# Altium PCB MICB.PcbDoc (part 1 of 3)
Units mil, origin at the board's own origin, x right, y up, seen from the top; angles counter-clockwise.
Board outline 3923.62 x 3144.88 mil, 4 copper layers (Top, GND02, PWR03, Bottom), stack 23.756 mil thick; 244 components, 173 nets, 794 pads, 549 vias.
Unrouted connection lines stored in the file: 121.
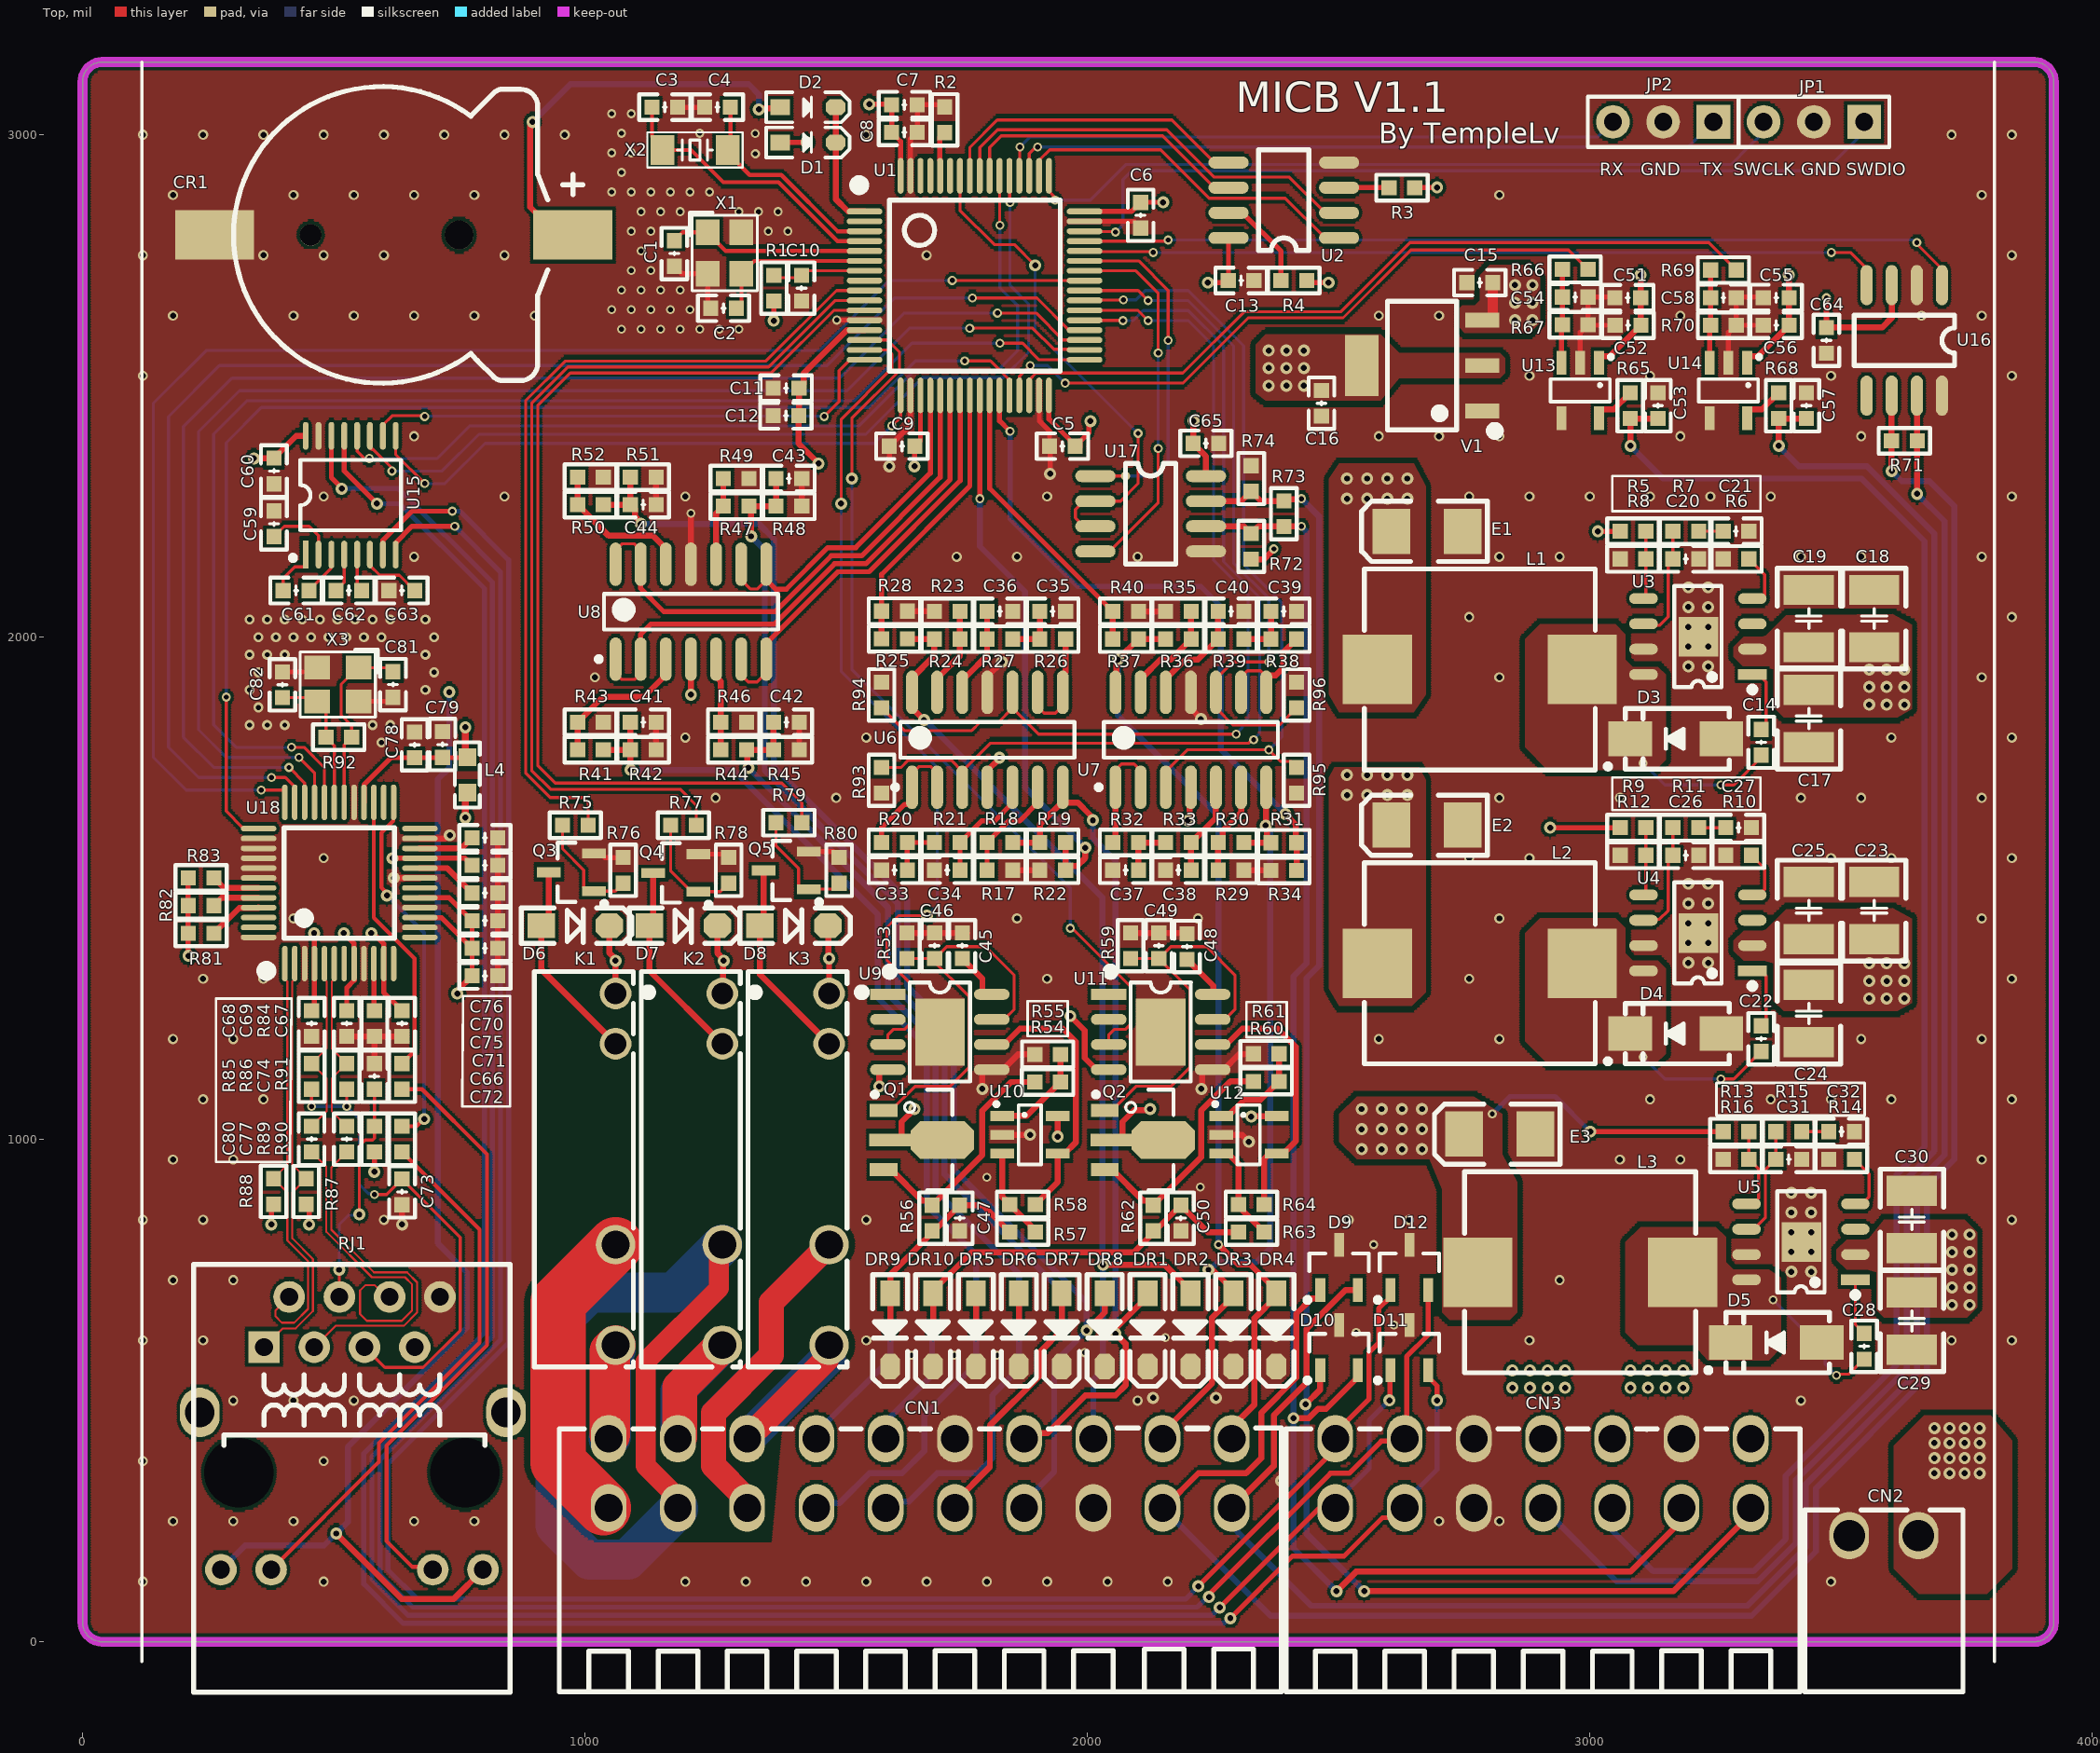
[diagram p0: Top view]
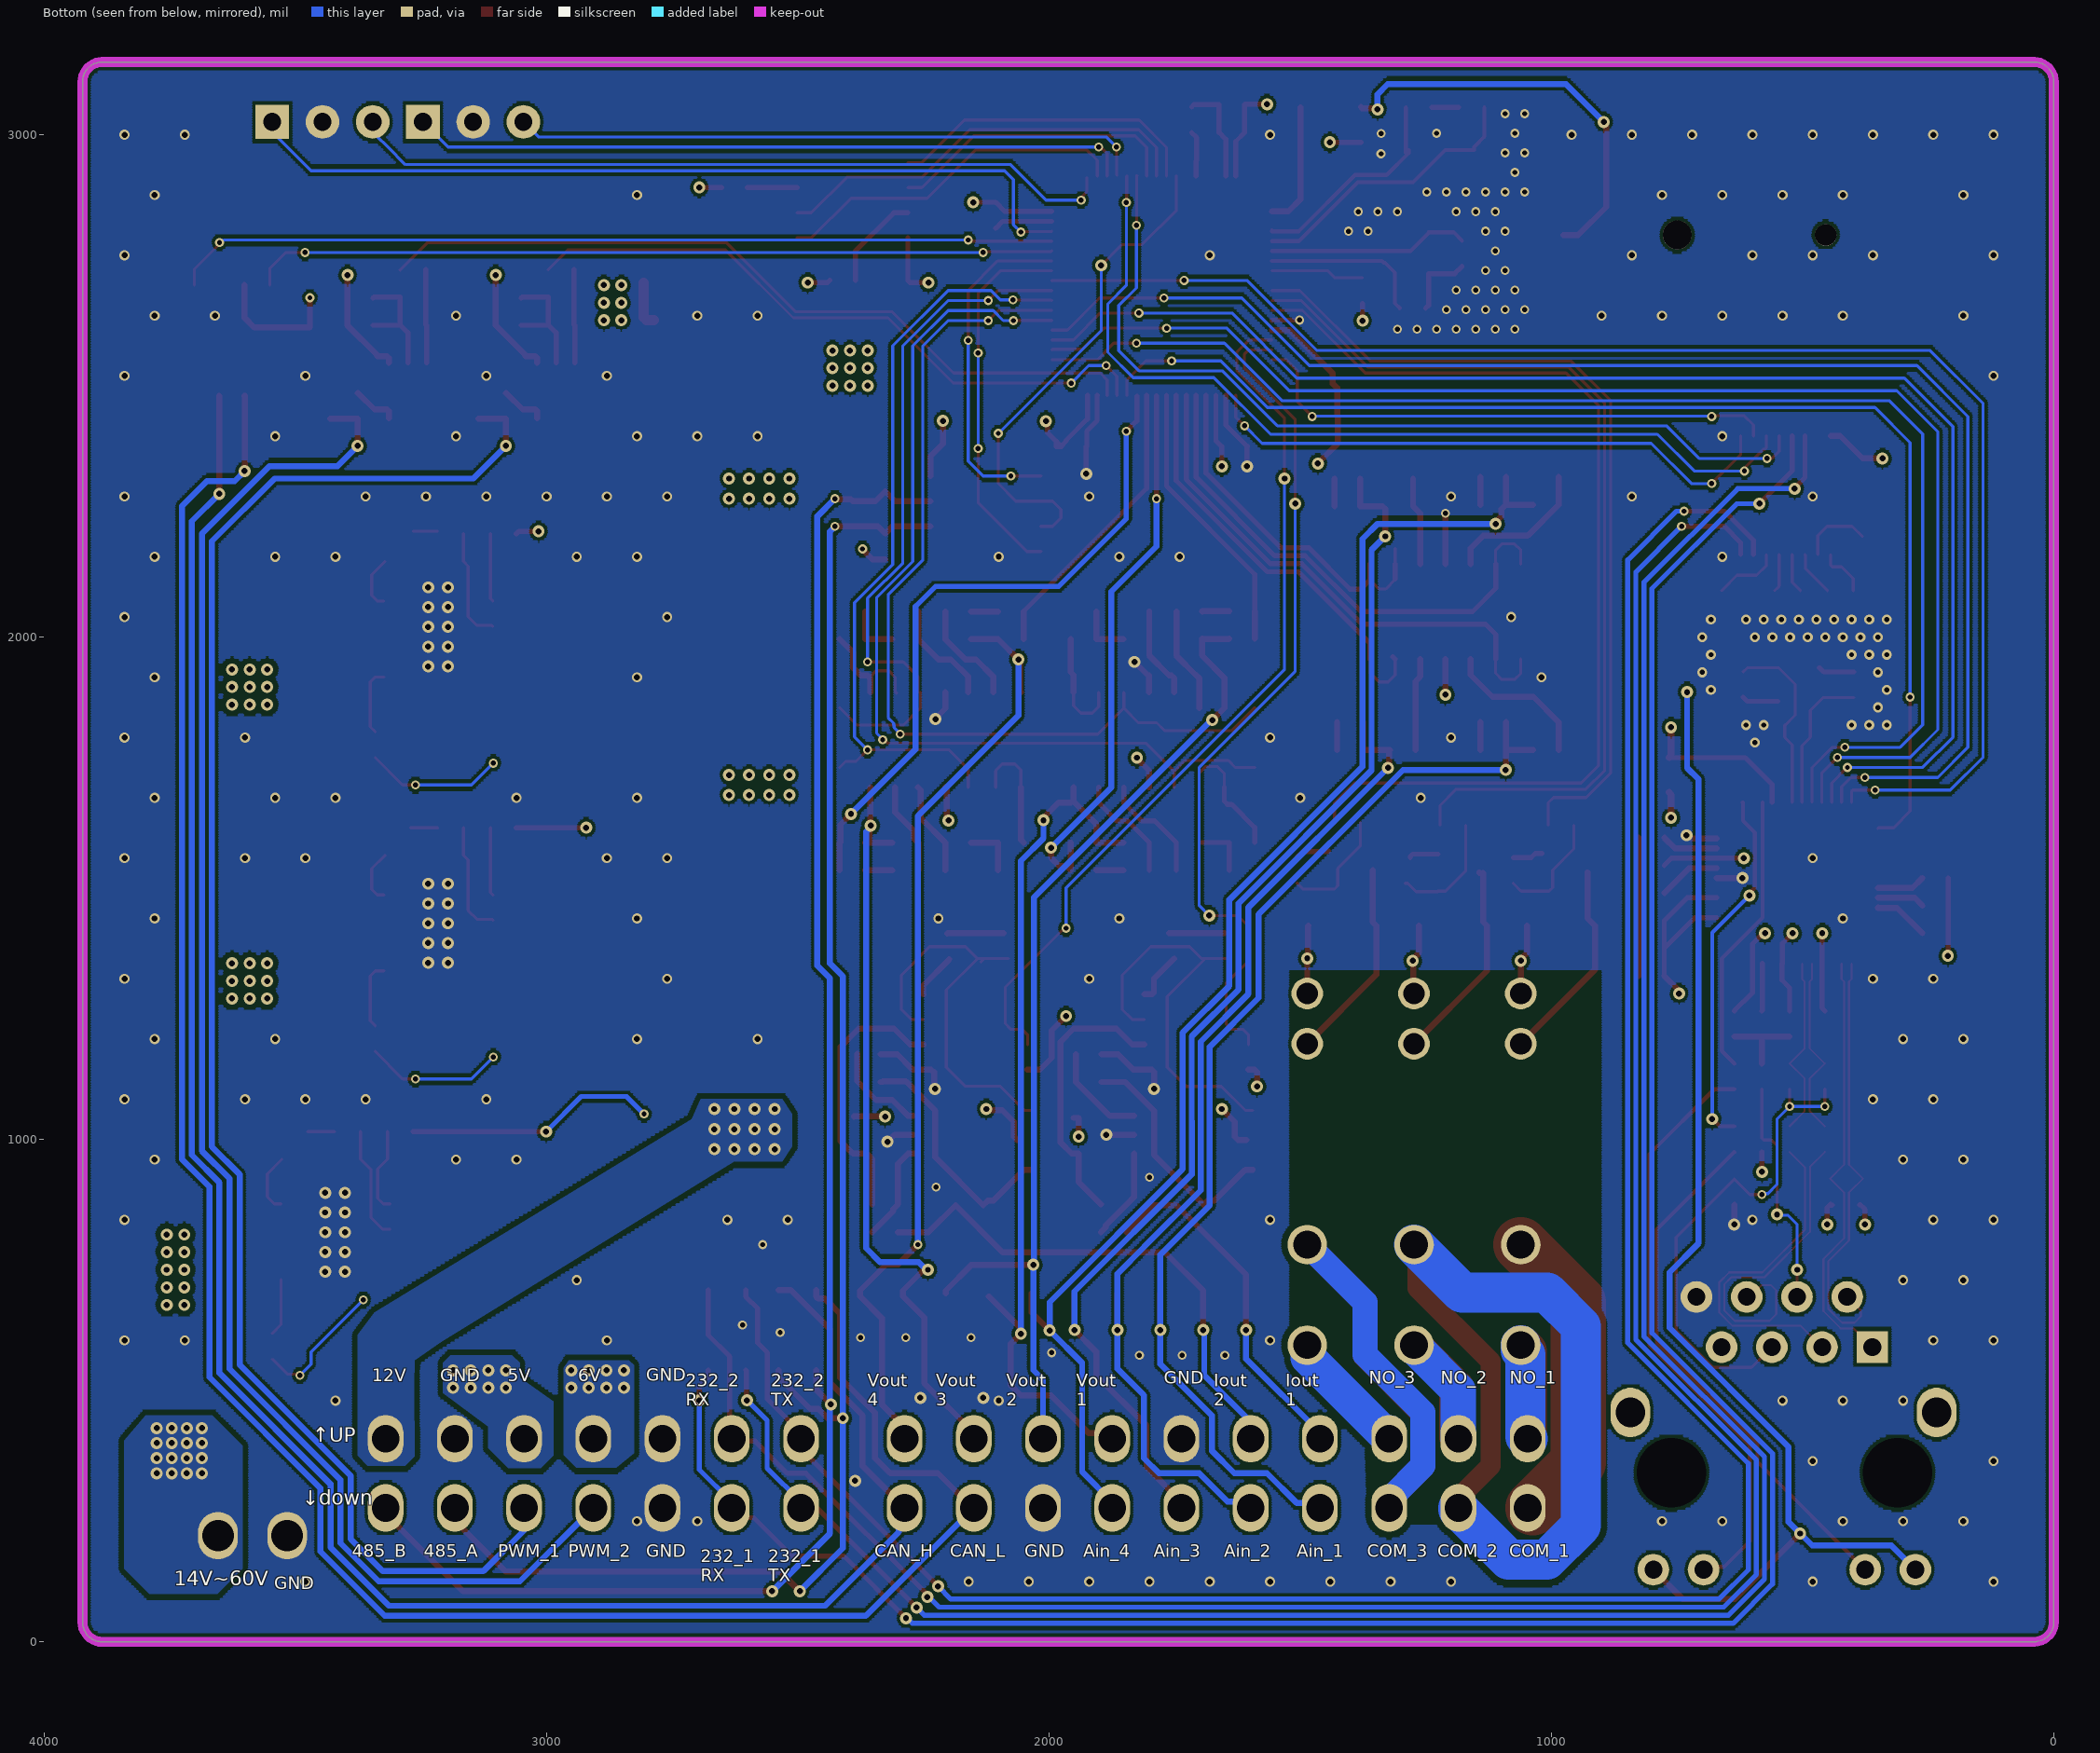
[diagram p1: Bottom view, seen from below]
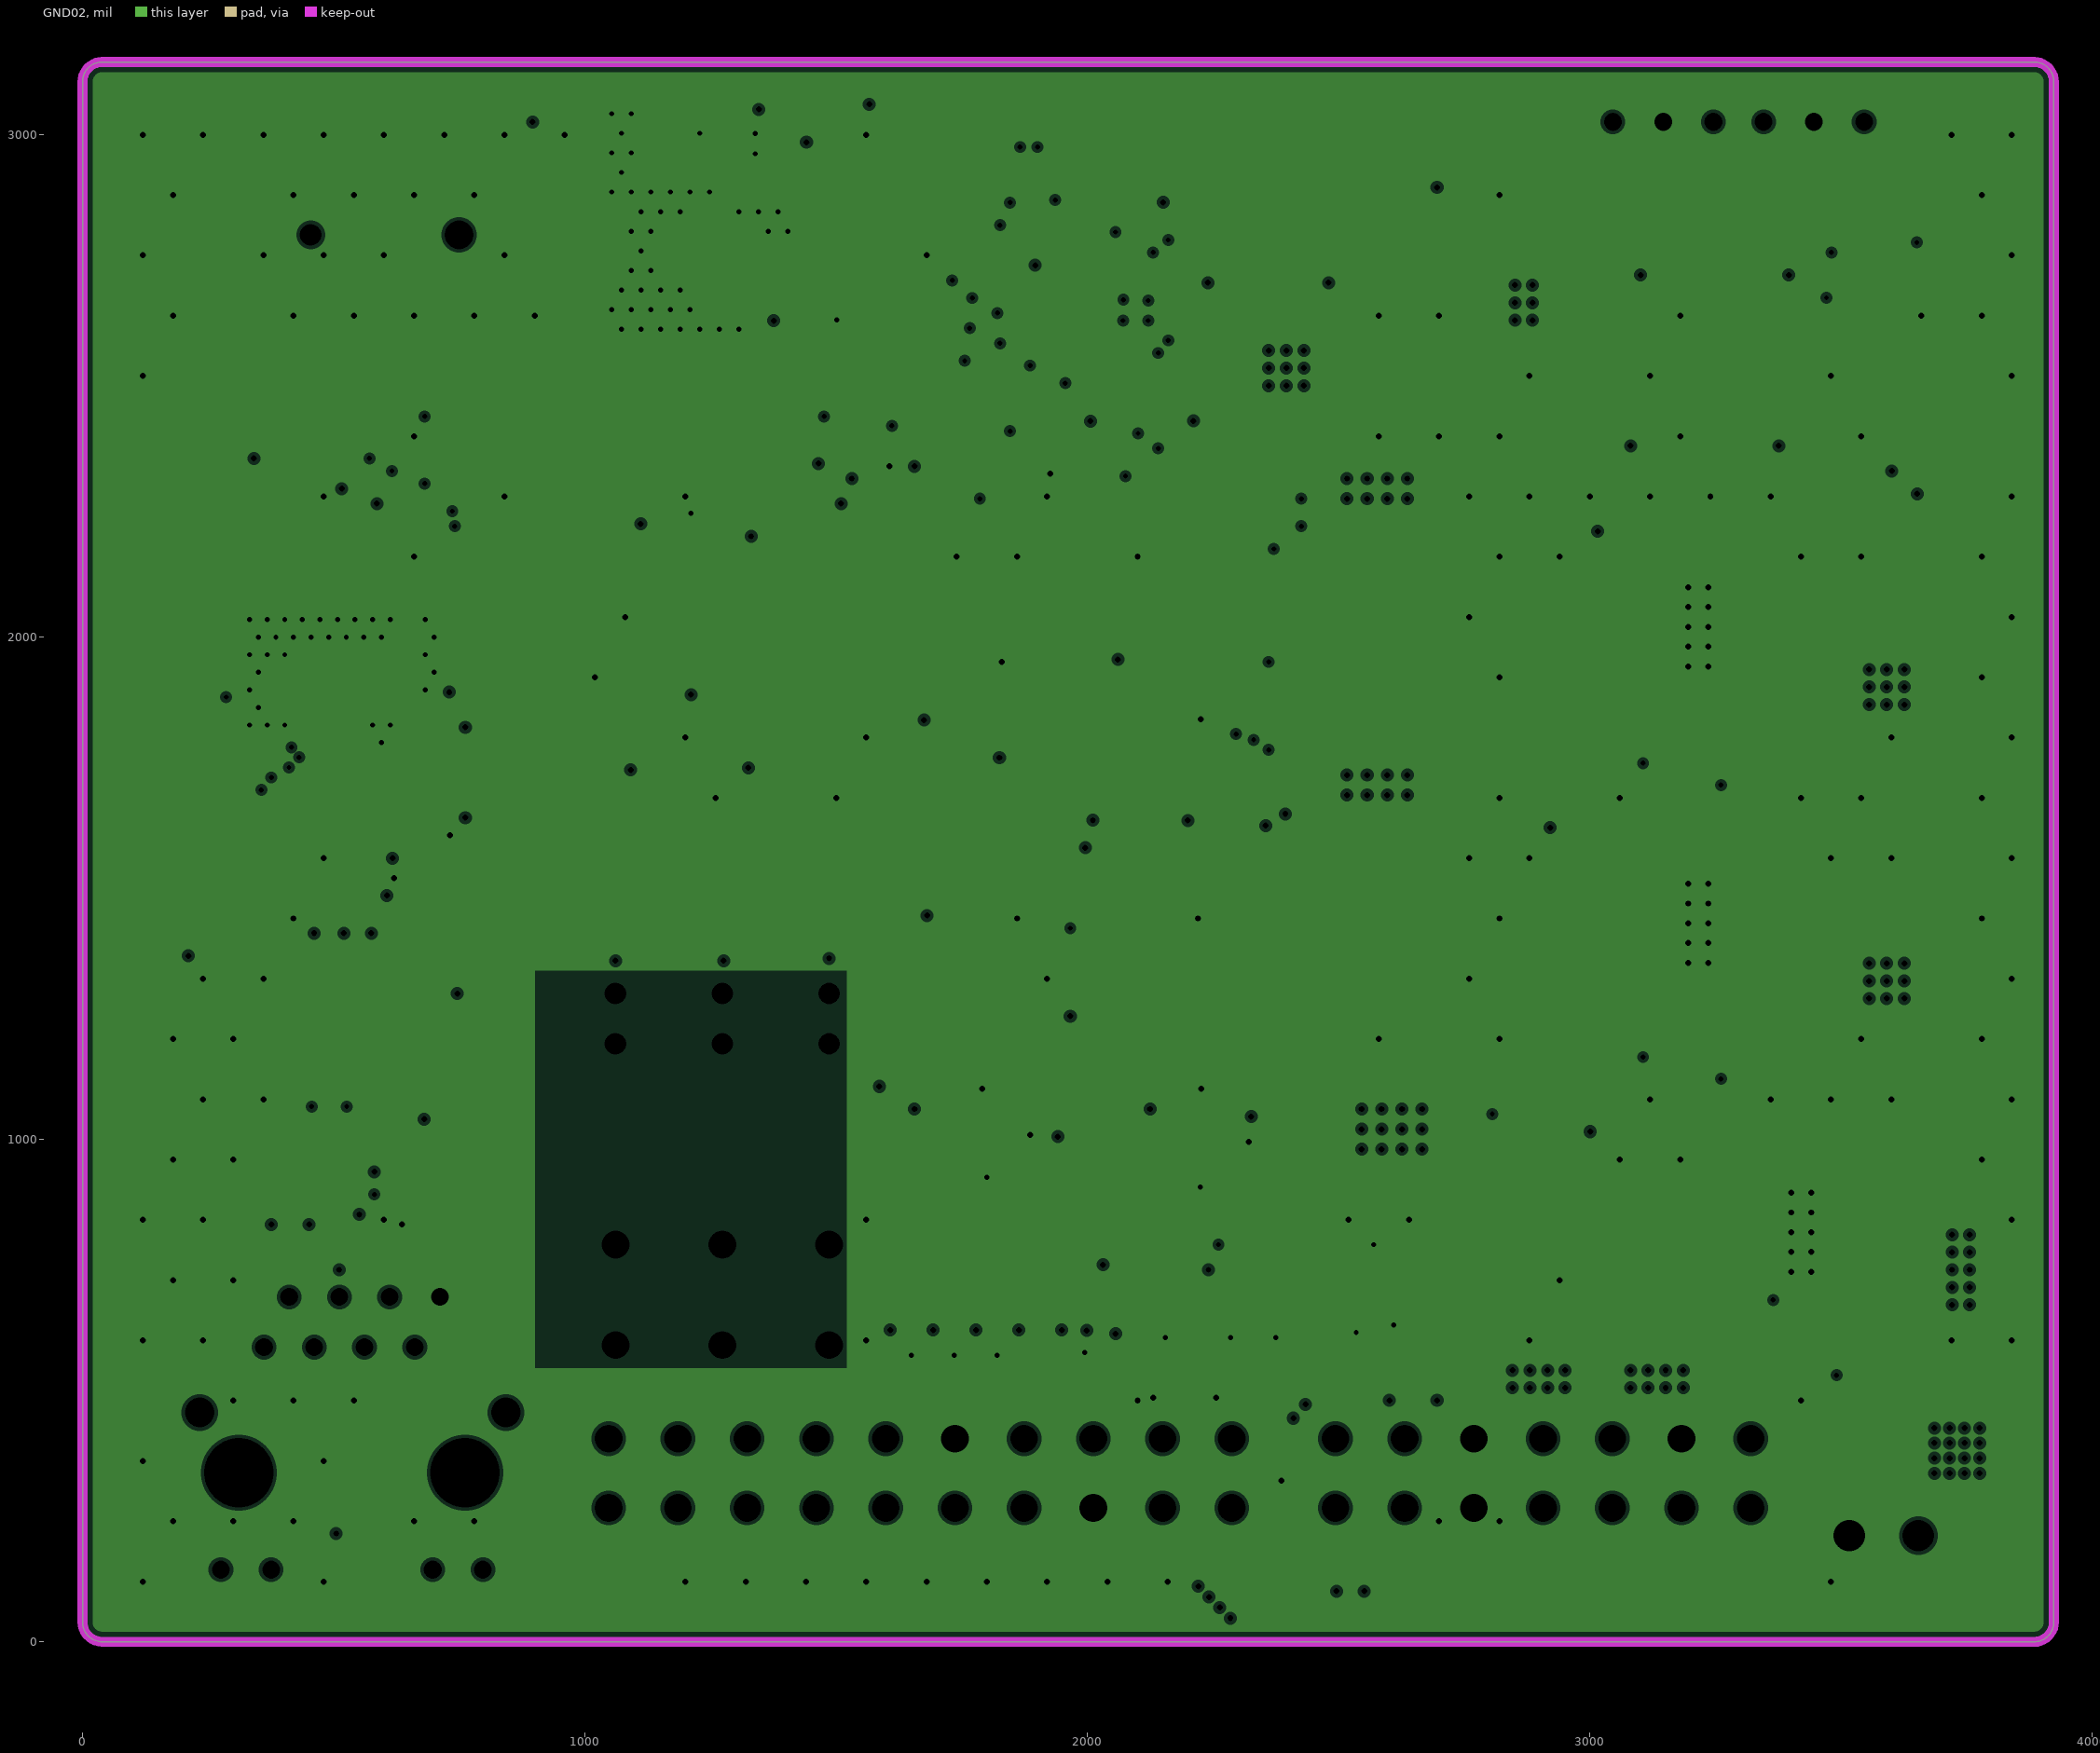
[diagram p2: GND02, clearances drawn from the general rule]
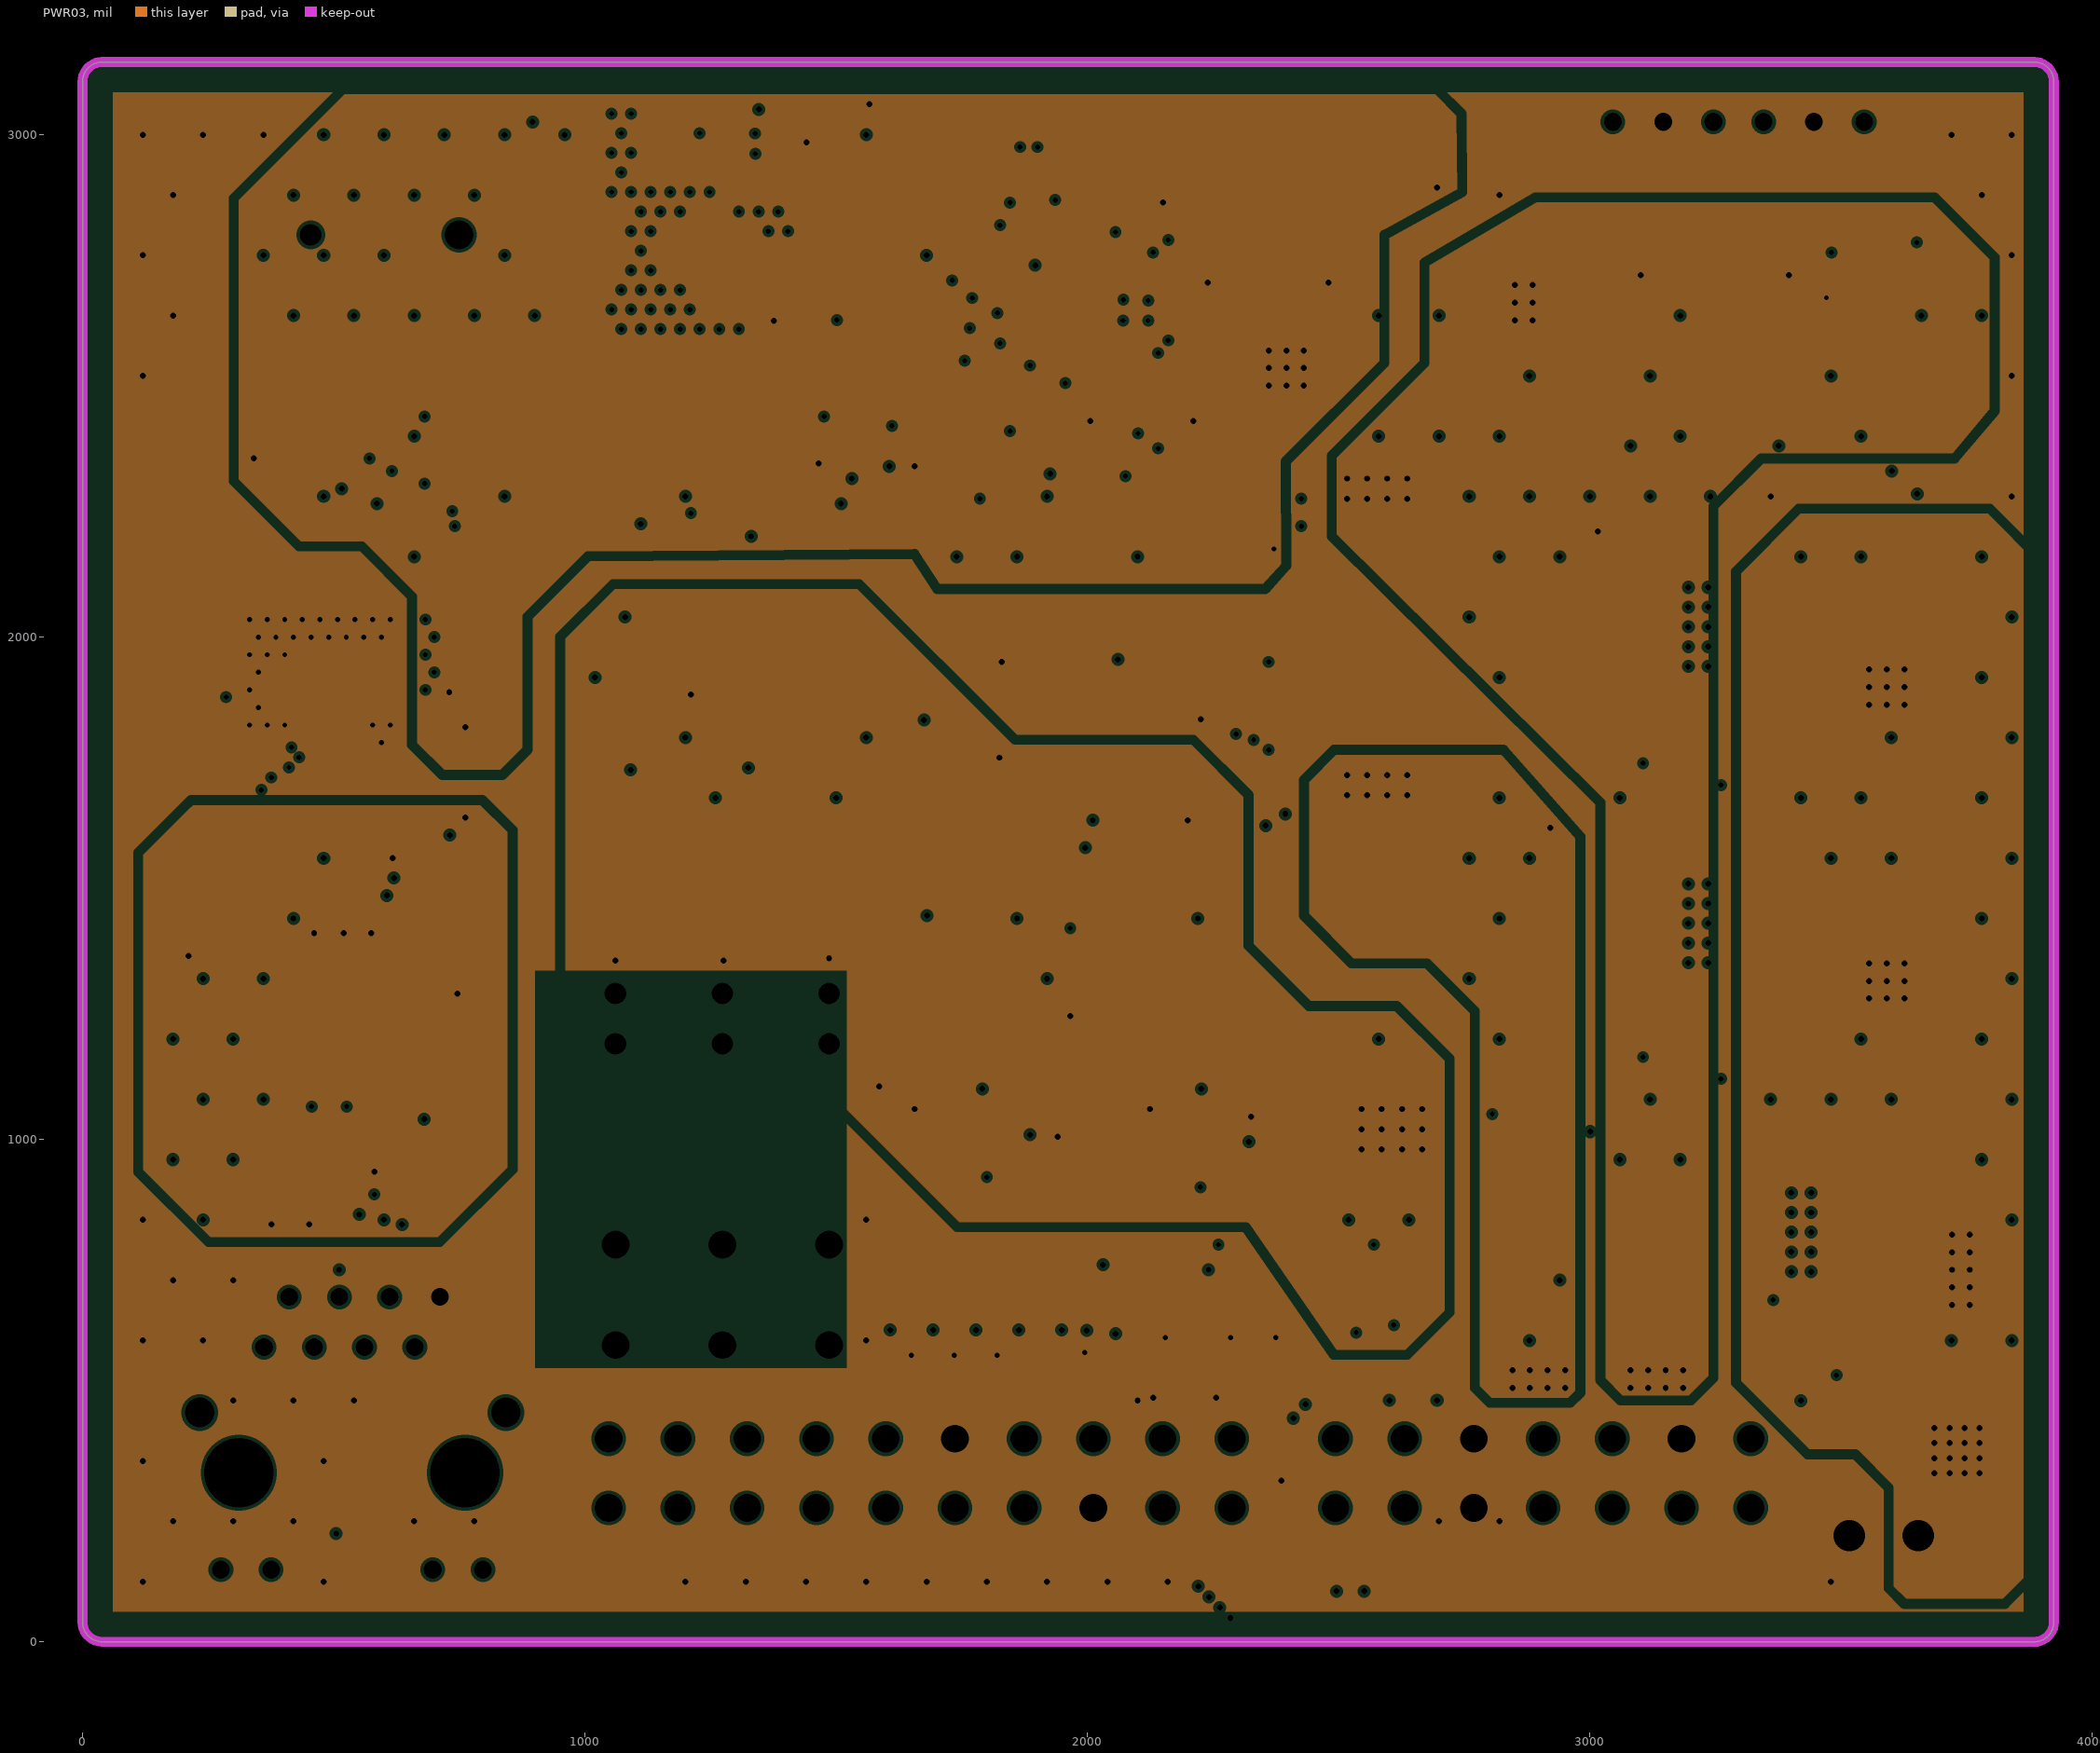
[diagram p3: PWR03, clearances drawn from the general rule]

## Layer stack, top to bottom
Top Solder: solder mask 0.4, Solder Resist, Dk 3.5
Top: signal copper 1.4
Dielectric 2: prepreg 2.8, PP-006, Dk 4.1
GND02: plane copper 1.378, net GND
Dielectric 3: prepreg 2.8, PP-006, Dk 4.1
PWR03: plane copper 1.378, net (Multiple Nets)
Dielectric 1: dielectric 12.6, FR-4, Dk 4.8
Bottom: signal copper 1.4
Bottom Solder: solder mask 0.4, Solder Resist, Dk 3.5

## Board outline
0,39.37 0,3105.51 cw(c39.37,3105.51) 39.37,3144.88 3884.25,3144.88 cw(c3884.25,3105.51) 3923.62,3105.51 3923.62,39.37 cw(c3884.25,39.37) 3884.25,0 39.37,0 cw(c39.37,39.37)
